# Altium PCB Graviton-RB1.PcbDoc (part 10 of 11) (continued)
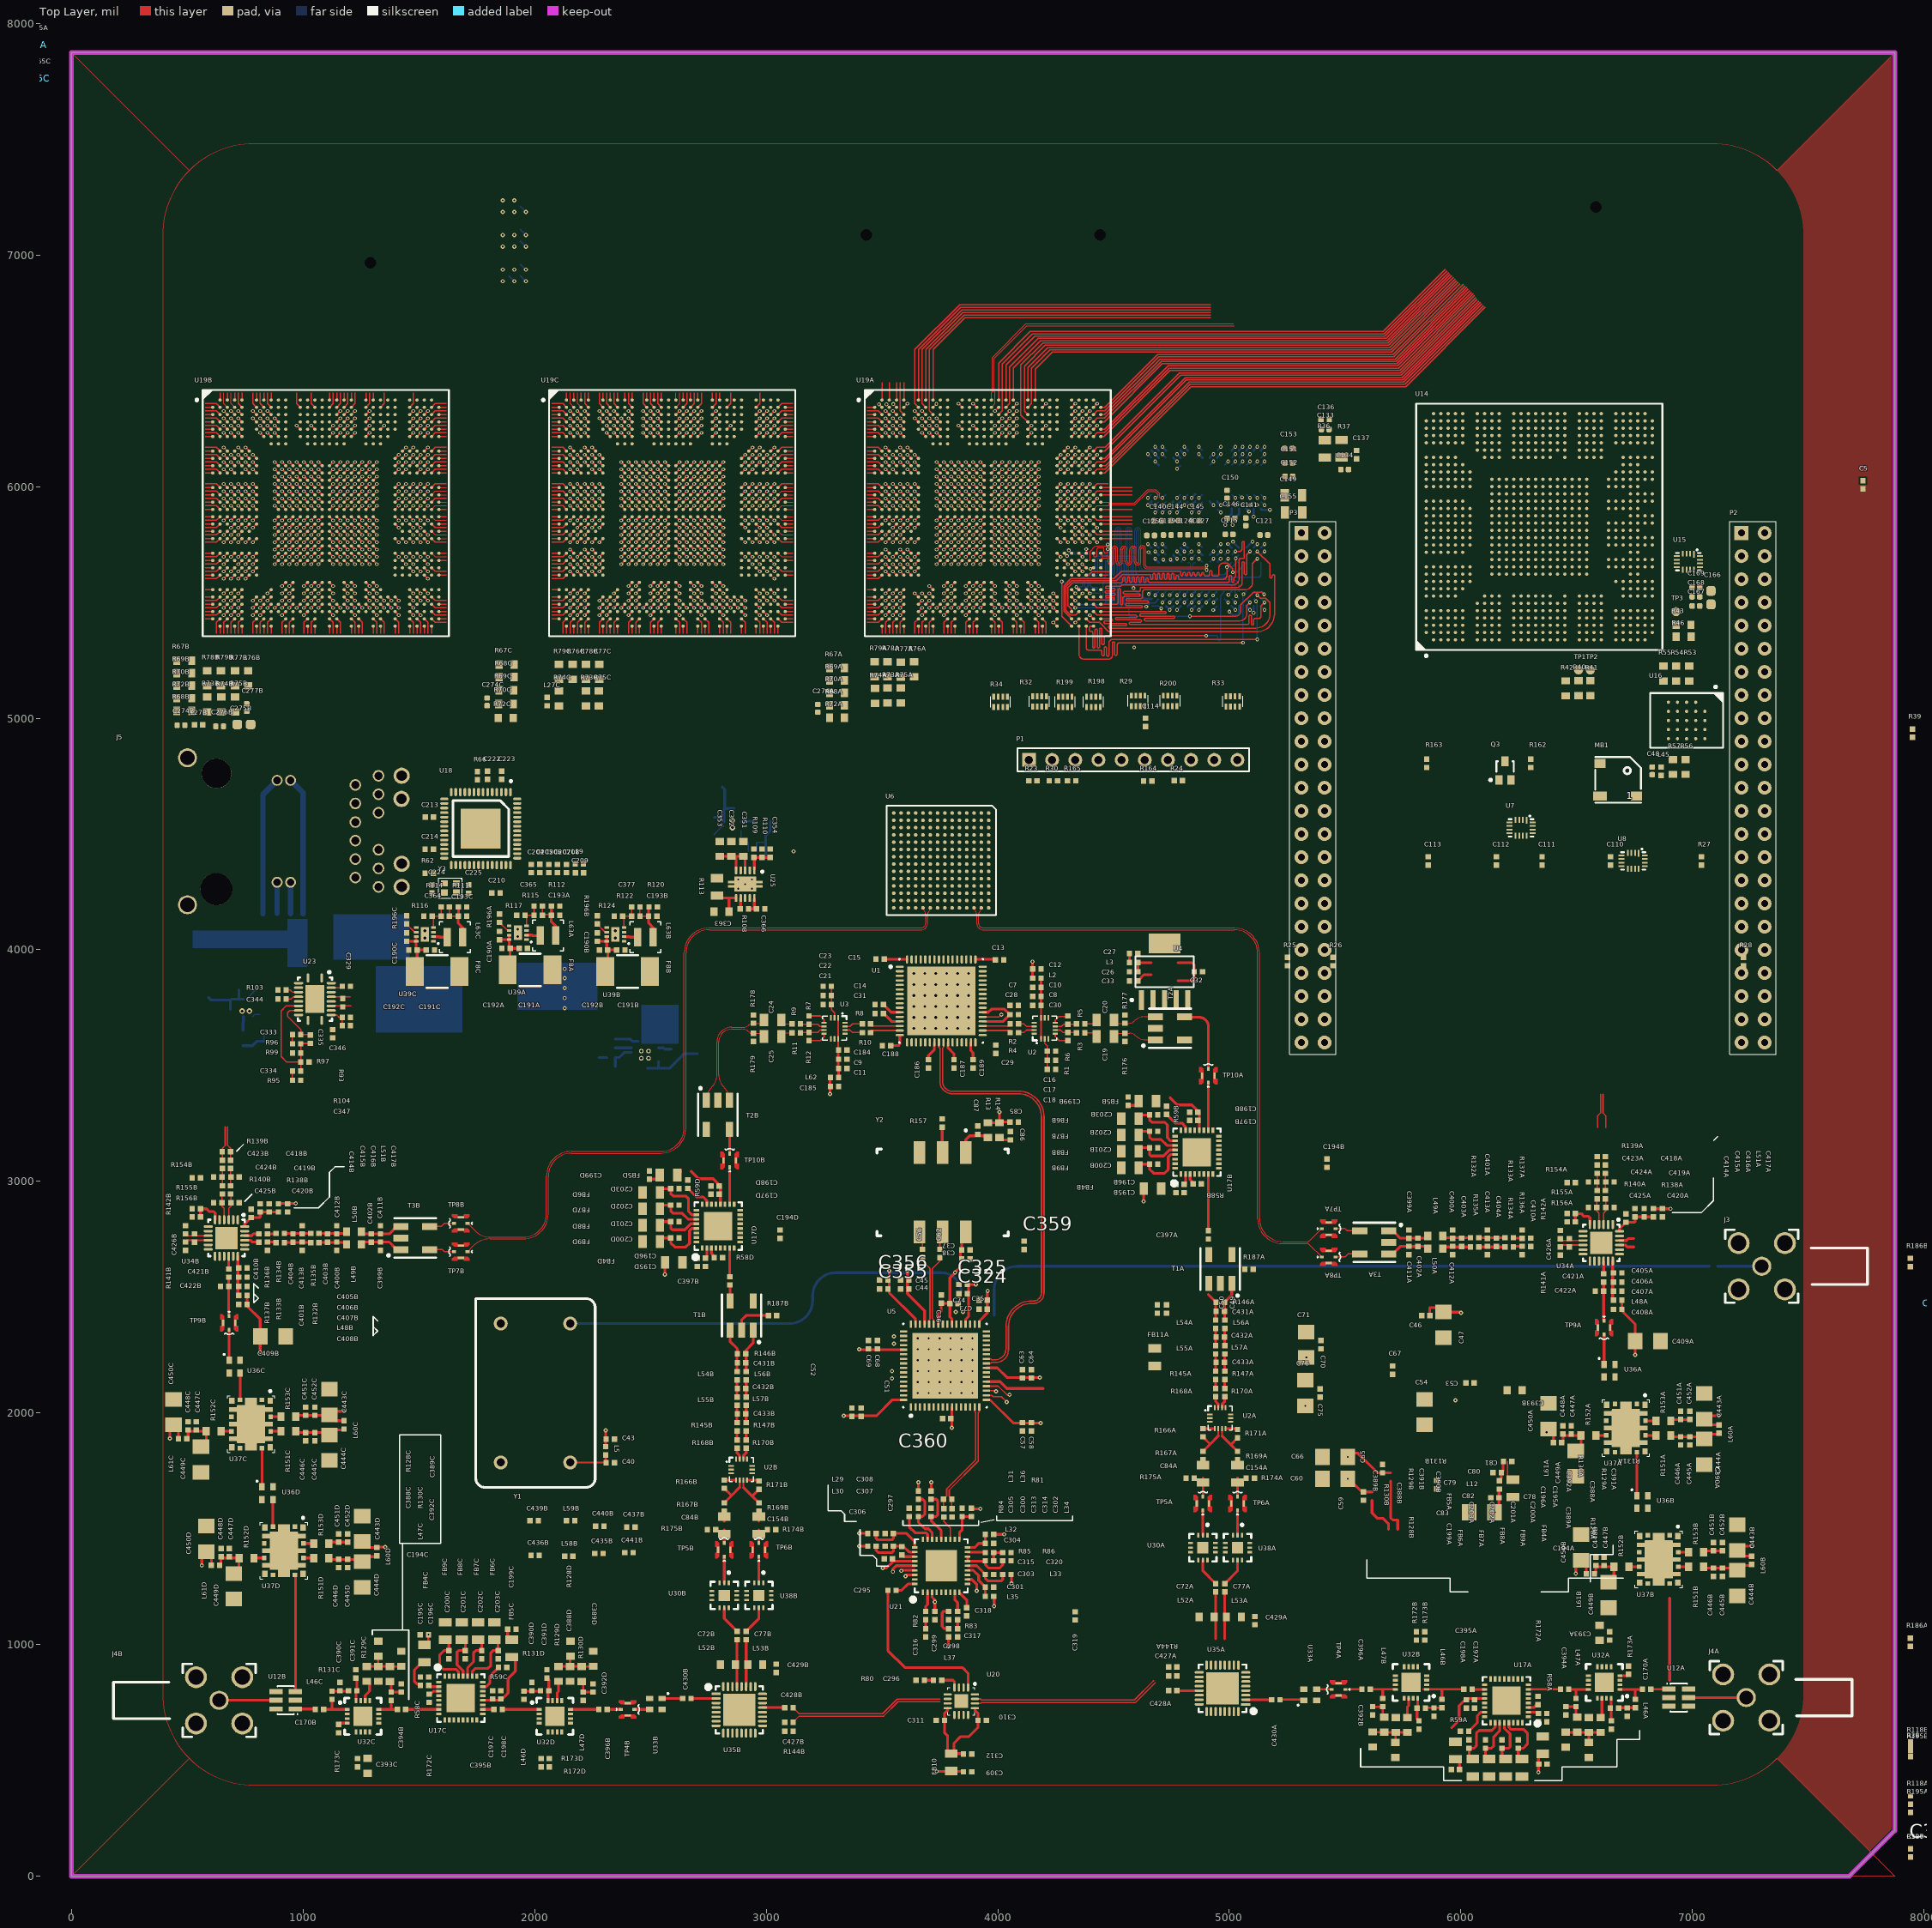
[diagram p0: Top Layer view]
## Nets (pads, with @x,y where several pads share a name; then routed paths per layer and width w, separated by ;. In a path a pad name is that pad's centre, name@x,y a point inside that pad or via, vN(x,y) a via of type N, cw(c..) or ccw(c..) an arc to the next point about the centre after c; other vN are vias at no path point) (continued)
VCC-COREB: C279B.2 C284B.2 C285B.2 C286B.2 C287B.2 C288B.2 C289B.2 C290B.2 C291B.2 C292B.2 C293B.2 C294B.2 L28B.2 U19B.AA12 U19B.AA13 U19B.AA14 U19B.AA15 U19B.AA16 U19B.AA17 U19B.AA18 U19B.AA19 U19B.AA20 U19B.AA21 U19B.M12 U19B.M13 U19B.M14 U19B.M15 U19B.M16 U19B.M17 U19B.M18 U19B.M19 U19B.M20 U19B.M21 U19B.N12 U19B.N21 U19B.P12 U19B.P21 U19B.R12 U19B.R21 U19B.T12 U19B.T21 U19B.U12 U19B.U21 U19B.V12 U19B.V21 U19B.W12 U19B.W21 U19B.Y12 U19B.Y21 | length 801.8
  Top Layer w10: v1(940.94,5728.35) U19B.AA12@956.69,5744.09 ; v1(940.94,5759.84) U19B.Y12@956.69,5775.59 ; v1(940.94,5791.34) U19B.W12@956.69,5807.09 ; v1(940.94,5822.83) U19B.V12@956.69,5838.58 ; v1(940.94,5854.33) U19B.U12@956.69,5870.08 ; v1(940.94,5917.32) U19B.T12@956.69,5901.57 ; v1(940.94,5948.82) U19B.R12@956.69,5933.07 ; v1(940.94,5980.32) U19B.P12@956.69,5964.57 ; v1(940.94,6011.81) U19B.N12@956.69,5996.06 ; v1(940.94,6043.31) U19B.M12@956.69,6027.56 ; v1(972.44,5728.35) U19B.AA13@988.19,5744.09 ; v1(972.44,6043.31) U19B.M13@988.19,6027.56 ; v1(1003.94,5728.35) U19B.AA14@1019.68,5744.09 ; v1(1003.94,6043.31) U19B.M14@1019.68,6027.56 ; v1(1035.43,5728.35) U19B.AA15@1051.18,5744.09 ; v1(1035.43,6043.31) U19B.M15@1051.18,6027.56 ; v1(1066.93,5728.35) U19B.AA16@1082.68,5744.09 ; v1(1066.93,6043.31) U19B.M16@1082.68,6027.56 ; U19B.AA17@1114.17,5744.09 v1(1129.92,5728.35) ; U19B.M17@1114.17,6027.56 v1(1129.92,6043.31) ; U19B.AA18@1145.67,5744.09 v1(1161.42,5728.35) ; U19B.M18@1145.67,6027.56 v1(1161.42,6043.31) ; U19B.AA19@1177.17,5744.09 v1(1192.91,5728.35) ; U19B.M19@1177.17,6027.56 v1(1192.91,6043.31) ; U19B.AA20@1208.66,5744.09 v1(1224.41,5728.35) ; U19B.M20@1208.66,6027.56 v1(1224.41,6043.31) ; U19B.AA21@1240.16,5744.09 v1(1255.91,5728.35) ; U19B.Y21@1240.16,5775.59 v1(1255.91,5759.84) ; U19B.W21@1240.16,5807.09 v1(1255.91,5791.34) ; U19B.V21@1240.16,5838.58 v1(1255.91,5822.83) ; U19B.U21@1240.16,5870.08 v1(1255.91,5854.33) ; U19B.T21@1240.16,5901.57 v1(1255.91,5917.32) ; U19B.R21@1240.16,5933.07 v1(1255.91,5948.82) ; U19B.P21@1240.16,5964.57 v1(1255.91,5980.32) ; U19B.N21@1240.16,5996.06 v1(1255.91,6011.81) ; U19B.M21@1240.16,6027.56 v1(1255.91,6043.31)
VCC-COREC: C279C.2 C284C.2 C285C.2 C286C.2 C287C.2 C288C.2 C289C.2 C290C.2 C291C.2 C292C.2 C293C.2 C294C.2 L28C.2 U19C.AA12 U19C.AA13 U19C.AA14 U19C.AA15 U19C.AA16 U19C.AA17 U19C.AA18 U19C.AA19 U19C.AA20 U19C.AA21 U19C.M12 U19C.M13 U19C.M14 U19C.M15 U19C.M16 U19C.M17 U19C.M18 U19C.M19 U19C.M20 U19C.M21 U19C.N12 U19C.N21 U19C.P12 U19C.P21 U19C.R12 U19C.R21 U19C.T12 U19C.T21 U19C.U12 U19C.U21 U19C.V12 U19C.V21 U19C.W12 U19C.W21 U19C.Y12 U19C.Y21 | length 801.8
  Top Layer w10: v1(2437.01,5728.35) U19C.AA12@2452.76,5744.09 ; v1(2437.01,5759.84) U19C.Y12@2452.76,5775.59 ; v1(2437.01,5791.34) U19C.W12@2452.76,5807.09 ; v1(2437.01,5822.83) U19C.V12@2452.76,5838.58 ; v1(2437.01,5854.33) U19C.U12@2452.76,5870.08 ; v1(2437.01,5917.32) U19C.T12@2452.76,5901.57 ; v1(2437.01,5948.82) U19C.R12@2452.76,5933.07 ; v1(2437.01,5980.32) U19C.P12@2452.76,5964.57 ; v1(2437.01,6011.81) U19C.N12@2452.76,5996.06 ; v1(2437.01,6043.31) U19C.M12@2452.76,6027.56 ; v1(2468.5,5728.35) U19C.AA13@2484.25,5744.09 ; v1(2468.5,6043.31) U19C.M13@2484.25,6027.56 ; v1(2500,5728.35) U19C.AA14@2515.75,5744.09 ; v1(2500,6043.31) U19C.M14@2515.75,6027.56 ; v1(2531.5,5728.35) U19C.AA15@2547.24,5744.09 ; v1(2531.5,6043.31) U19C.M15@2547.24,6027.56 ; v1(2562.99,5728.35) U19C.AA16@2578.74,5744.09 ; v1(2562.99,6043.31) U19C.M16@2578.74,6027.56 ; U19C.AA17@2610.24,5744.09 v1(2625.98,5728.35) ; U19C.M17@2610.24,6027.56 v1(2625.98,6043.31) ; U19C.AA18@2641.73,5744.09 v1(2657.48,5728.35) ; U19C.M18@2641.73,6027.56 v1(2657.48,6043.31) ; U19C.AA19@2673.23,5744.09 v1(2688.98,5728.35) ; U19C.M19@2673.23,6027.56 v1(2688.98,6043.31) ; U19C.AA20@2704.72,5744.09 v1(2720.47,5728.35) ; U19C.M20@2704.72,6027.56 v1(2720.47,6043.31) ; U19C.AA21@2736.22,5744.09 v1(2751.97,5728.35) ; U19C.Y21@2736.22,5775.59 v1(2751.97,5759.84) ; U19C.W21@2736.22,5807.09 v1(2751.97,5791.34) ; U19C.V21@2736.22,5838.58 v1(2751.97,5822.83) ; U19C.U21@2736.22,5870.08 v1(2751.97,5854.33) ; U19C.T21@2736.22,5901.57 v1(2751.97,5917.32) ; U19C.R21@2736.22,5933.07 v1(2751.97,5948.82) ; U19C.P21@2736.22,5964.57 v1(2751.97,5980.32) ; U19C.N21@2736.22,5996.06 v1(2751.97,6011.81) ; U19C.M21@2736.22,6027.56 v1(2751.97,6043.31)
VCCIO0A: C227A.2 C228A.2 C229A.2 C230A.2 C231A.2 L20A.1 U19A.K12 U19A.K14 U19A.K15 U19A.K16 | length 89.1
  Top Layer w5: v1(3799.21,6106.3) U19A.K12@3814.96,6090.55 ; v1(3862.2,6106.3) U19A.K14@3877.95,6090.55 ; v1(3893.7,6106.3) U19A.K15@3909.45,6090.55 ; v1(3925.2,6106.3) U19A.K16@3940.94,6090.55
VCCIO0B: C227B.2 C228B.2 C229B.2 C230B.2 C231B.2 L20B.1 U19B.K12 U19B.K14 U19B.K15 U19B.K16 | length 89.1
  Top Layer w5: v1(940.94,6106.3) U19B.K12@956.69,6090.55 ; v1(1003.94,6106.3) U19B.K14@1019.68,6090.55 ; v1(1035.43,6106.3) U19B.K15@1051.18,6090.55 ; v1(1066.93,6106.3) U19B.K16@1082.68,6090.55
VCCIO0C: C227C.2 C228C.2 C229C.2 C230C.2 C231C.2 L20C.1 U19C.K12 U19C.K14 U19C.K15 U19C.K16 | length 89.1
  Top Layer w5: v1(2437.01,6106.3) U19C.K12@2452.76,6090.55 ; v1(2500,6106.3) U19C.K14@2515.75,6090.55 ; v1(2531.5,6106.3) U19C.K15@2547.24,6090.55 ; v1(2562.99,6106.3) U19C.K16@2578.74,6090.55
VCCIO1A: C233A.2 C234A.2 C235A.2 C236A.2 C237A.2 L21A.1 U19A.K17 U19A.K18 U19A.K19 U19A.K21 | length 89.1
  Top Layer w5: U19A.K17@3972.44,6090.55 v1(3988.19,6106.3) ; U19A.K18@4003.94,6090.55 v1(4019.68,6106.3) ; U19A.K19@4035.43,6090.55 v1(4051.18,6106.3) ; U19A.K21@4098.43,6090.55 v1(4114.17,6106.3)
VCCIO1B: C233B.2 C234B.2 C235B.2 C236B.2 C237B.2 L21B.1 U19B.K17 U19B.K18 U19B.K19 U19B.K21 | length 89.1
  Top Layer w5: U19B.K17@1114.17,6090.55 v1(1129.92,6106.3) ; U19B.K18@1145.67,6090.55 v1(1161.42,6106.3) ; U19B.K19@1177.17,6090.55 v1(1192.91,6106.3) ; U19B.K21@1240.16,6090.55 v1(1255.91,6106.3)
VCCIO1C: C233C.2 C234C.2 C235C.2 C236C.2 C237C.2 L21C.1 U19C.K17 U19C.K18 U19C.K19 U19C.K21 | length 89.1
  Top Layer w5: U19C.K17@2610.24,6090.55 v1(2625.98,6106.3) ; U19C.K18@2641.73,6090.55 v1(2657.48,6106.3) ; U19C.K19@2673.23,6090.55 v1(2688.98,6106.3) ; U19C.K21@2736.22,6090.55 v1(2751.97,6106.3)
VCCIO2: C161.2 C162.2 C163.2 C164.2 C165.2 L17.1 U14.M23 U14.P23 U14.R23 U14.T23
VCCIO2A: C239A.2 C240A.2 C241A.2 C242A.2 C243A.2 L22A.1 U19A.M23 U19A.P23 U19A.R23 U19A.T23 | length 89.1
  Top Layer w5: U19A.T23@4161.42,5901.57 v1(4177.17,5917.32) ; U19A.R23@4161.42,5933.07 v1(4177.17,5948.82) ; U19A.P23@4161.42,5964.57 v1(4177.17,5980.32) ; U19A.M23@4161.42,6027.56 v1(4177.17,6043.31)
VCCIO2B: C239B.2 C240B.2 C241B.2 C242B.2 C243B.2 L22B.1 U19B.M23 U19B.P23 U19B.R23 U19B.T23 | length 89.1
  Top Layer w5: U19B.T23@1303.15,5901.57 v1(1318.9,5917.32) ; U19B.R23@1303.15,5933.07 v1(1318.9,5948.82) ; U19B.P23@1303.15,5964.57 v1(1318.9,5980.32) ; U19B.M23@1303.15,6027.56 v1(1318.9,6043.31)
VCCIO2C: C239C.2 C240C.2 C241C.2 C242C.2 C243C.2 L22C.1 U19C.M23 U19C.P23 U19C.R23 U19C.T23 | length 89.1
  Top Layer w5: U19C.T23@2799.21,5901.57 v1(2814.96,5917.32) ; U19C.R23@2799.21,5933.07 v1(2814.96,5948.82) ; U19C.P23@2799.21,5964.57 v1(2814.96,5980.32) ; U19C.M23@2799.21,6027.56 v1(2814.96,6043.31)
VCCIO3A: C247A.2 C248A.2 C249A.2 C250A.2 C251A.2 L23A.1 U19A.AA23 U19A.U23 U19A.V23 U19A.W23 | length 89.1
  Top Layer w5: U19A.AA23@4161.42,5744.09 v1(4177.17,5728.35) ; U19A.W23@4161.42,5807.09 v1(4177.17,5791.34) ; U19A.V23@4161.42,5838.58 v1(4177.17,5822.83) ; U19A.U23@4161.42,5870.08 v1(4177.17,5854.33)
VCCIO3B: C247B.2 C248B.2 C249B.2 C250B.2 C251B.2 L23B.1 U19B.AA23 U19B.U23 U19B.V23 U19B.W23 | length 89.1
  Top Layer w5: U19B.AA23@1303.15,5744.09 v1(1318.9,5728.35) ; U19B.W23@1303.15,5807.09 v1(1318.9,5791.34) ; U19B.V23@1303.15,5838.58 v1(1318.9,5822.83) ; U19B.U23@1303.15,5870.08 v1(1318.9,5854.33)
VCCIO3C: C247C.2 C248C.2 C249C.2 C250C.2 C251C.2 L23C.1 U19C.AA23 U19C.U23 U19C.V23 U19C.W23 | length 89.1
  Top Layer w5: U19C.AA23@2799.21,5744.09 v1(2814.96,5728.35) ; U19C.W23@2799.21,5807.09 v1(2814.96,5791.34) ; U19C.V23@2799.21,5838.58 v1(2814.96,5822.83) ; U19C.U23@2799.21,5870.08 v1(2814.96,5854.33)
VCCIO4A: C255A.2 C256A.2 C257A.2 L24A.1 U19A.AB23 U19A.AC23 | length 44.5
  Top Layer w5: U19A.AC23@4161.42,5681.1 v1(4177.17,5665.35) ; U19A.AB23@4161.42,5712.6 v1(4177.17,5696.85)
VCCIO4B: C255B.2 C256B.2 C257B.2 L24B.1 U19B.AB23 U19B.AC23 | length 44.5
  Top Layer w5: U19B.AC23@1303.15,5681.1 v1(1318.9,5665.35) ; U19B.AB23@1303.15,5712.6 v1(1318.9,5696.85)
VCCIO4C: C255C.2 C256C.2 C257C.2 L24C.1 U19C.AB23 U19C.AC23 | length 44.5
  Top Layer w5: U19C.AC23@2799.21,5681.1 v1(2814.96,5665.35) ; U19C.AB23@2799.21,5712.6 v1(2814.96,5696.85)
VCCIO6A: C259A.2 C260A.2 C261A.2 C262A.2 C263A.2 L25A.1 U19A.AA10 U19A.U10 U19A.V10 U19A.W10 | length 89.1
  Top Layer w5: v1(3736.22,5728.35) U19A.AA10@3751.97,5744.09 ; v1(3736.22,5791.34) U19A.W10@3751.97,5807.09 ; v1(3736.22,5822.83) U19A.V10@3751.97,5838.58 ; v1(3736.22,5854.33) U19A.U10@3751.97,5870.08
VCCIO6B: C259B.2 C260B.2 C261B.2 C262B.2 C263B.2 L25B.1 U19B.AA10 U19B.U10 U19B.V10 U19B.W10 | length 89.1
  Top Layer w5: v1(877.95,5728.35) U19B.AA10@893.7,5744.09 ; v1(877.95,5791.34) U19B.W10@893.7,5807.09 ; v1(877.95,5822.83) U19B.V10@893.7,5838.58 ; v1(877.95,5854.33) U19B.U10@893.7,5870.08
VCCIO6C: C259C.2 C260C.2 C261C.2 C262C.2 C263C.2 L25C.1 U19C.AA10 U19C.U10 U19C.V10 U19C.W10 | length 89.1
  Top Layer w5: v1(2374.02,5728.35) U19C.AA10@2389.76,5744.09 ; v1(2374.02,5791.34) U19C.W10@2389.76,5807.09 ; v1(2374.02,5822.83) U19C.V10@2389.76,5838.58 ; v1(2374.02,5854.33) U19C.U10@2389.76,5870.08
VCCIO7A: C267A.2 C268A.2 C269A.2 C270A.2 C271A.2 L26A.1 U19A.M10 U19A.P10 U19A.R10 U19A.T10 | length 89.1
  Top Layer w5: v1(3736.22,5917.32) U19A.T10@3751.97,5901.57 ; v1(3736.22,5948.82) U19A.R10@3751.97,5933.07 ; v1(3736.22,5980.32) U19A.P10@3751.97,5964.57 ; v1(3736.22,6043.31) U19A.M10@3751.97,6027.56
VCCIO7B: C267B.2 C268B.2 C269B.2 C270B.2 C271B.2 L26B.1 U19B.M10 U19B.P10 U19B.R10 U19B.T10 | length 89.1
  Top Layer w5: v1(877.95,5917.32) U19B.T10@893.7,5901.57 ; v1(877.95,5948.82) U19B.R10@893.7,5933.07 ; v1(877.95,5980.32) U19B.P10@893.7,5964.57 ; v1(877.95,6043.31) U19B.M10@893.7,6027.56
VCCIO7C: C267C.2 C268C.2 C269C.2 C270C.2 C271C.2 L26C.1 U19C.M10 U19C.P10 U19C.R10 U19C.T10 | length 89.1
  Top Layer w5: v1(2374.02,5917.32) U19C.T10@2389.76,5901.57 ; v1(2374.02,5948.82) U19C.R10@2389.76,5933.07 ; v1(2374.02,5980.32) U19C.P10@2389.76,5964.57 ; v1(2374.02,6043.31) U19C.M10@2389.76,6027.56
VCCIO8: C166.2 C167.2 C168.2 C169.2 L45.2 R40.2 R41.2 R42.2 R44.2 R45.2 R46.2 R47.2 R48.2 R49.2 R53.2 R54.2 R55.2 R56.2 R57.2 U14.AB10 U14.AC10 U15.13 U16.B4
VCCIO8A: C275A.2 C276A.2 C277A.2 L27A.1 R73A.2 R74A.2 R75A.2 U19A.AB10 U19A.AC10 | length 44.5
  Top Layer w5: v1(3736.22,5665.35) U19A.AC10@3751.97,5681.1 ; v1(3736.22,5696.85) U19A.AB10@3751.97,5712.6
VCCIO8B: C275B.2 C276B.2 C277B.2 L27B.1 R73B.2 R74B.2 R75B.2 U19B.AB10 U19B.AC10 | length 44.5
  Top Layer w5: v1(877.95,5665.35) U19B.AC10@893.7,5681.1 ; v1(877.95,5696.85) U19B.AB10@893.7,5712.6
VCCIO8C: C275C.2 C276C.2 C277C.2 L27C.1 R73C.2 R74C.2 R75C.2 U19C.AB10 U19C.AC10 | length 44.5
  Top Layer w5: v1(2374.02,5665.35) U19C.AC10@2389.76,5681.1 ; v1(2374.02,5696.85) U19C.AB10@2389.76,5712.6
VCXO-CTRL: C87.1 R13.2 Y2.1 | length 161.5
  Top Layer w11.81: Y2.1@3861.81,3124.02 3861.81,3180.71 3877.95,3196.85 3948.82,3196.85 R13.2@3956.69,3188.98
VDD-DSAA: C195A.2 C196A.2 FB4A.1 R59A.1 U17A.2 | length 38.6
  Top Layer w11.81: U17A.2@6291.34,708.66 C196A.2@6329.92,708.66
VDD-DSAB: C195B.2 C196B.2 FB4B.1 R59B.1 U17B.2 | length 38.6
  Top Layer w11.81: C196B.2@4811.02,2992.91 U17B.2@4811.02,3031.5
VDD-DSAC: C195C.2 C196C.2 FB4C.1 R59C.1 U17C.2 | length 175.6
  Top Layer w11.81: C195C.2@1511.81,829.53 1493.31,829.53 1480.31,842.52 1480.31,889.76 FB4C.1@1517.72,927.17 ; C196C.2@1548.03,818.9 U17C.2@1586.61,818.9
VDD-DSAD: C195D.2 C196D.2 FB4D.1 R59D.1 U17D.2 | length 38.6
  Top Layer w11.81: C196D.2@2743.7,2674.02 U17D.2@2743.7,2712.6
VDD-LNAA: C384A.2 C385A.2 C386A.2 C387A.2 R128A.1 U31A.B2
VDD-LNAB: C384B.2 C385B.2 C386B.2 C387B.2 R128B.1 U31B.B2
VDD-LNAC: C384C.2 C385C.2 C386C.2 C387C.2 R128C.1 U31C.B2
VDD-LNAD: C384D.2 C385D.2 C386D.2 C387D.2 R128D.1 U31D.B2
VDD_ADC: P3.32
VIN48V: C321.2 C322.2 C323.2 F1.1 R98.2 R158.1 R159.1 | length 55.1
  Bottom Layer w23.62: R158.1@944.88,4119.88 972.44,4119.88 R159.1@1000,4119.88
VREF-CM-ADC: C16.2 C17.2 C18.2 C21.2 C22.2 C23.2 U1.27 U2.2 U3.2 | length 278.2
  Top Layer w5.98: C23.2@3281.69,3842.52 C22.2@3281.69,3803.15 C21.2@3281.69,3763.78 3281.69,3741.93 3295.28,3728.35 U3.2@3295.28,3706.69 ; U2.2@4202.76,3616.14 4202.76,3596.46 4214.37,3584.84 C16.2@4214.37,3562.99 C17.2@4214.37,3523.62 C18.2@4214.37,3484.25
VREF-IO2A: C244A.2 C244B.2 C244C.2 C245A.2 C245B.2 C245C.2 C252A.2 C253A.2 C272A.2 C272B.2 C272C.2 C273A.2 C273B.2 C273C.2 C351.2 C352.2 C353.2 R37.2 U19A.J26 U19A.V29 U19B.J26 U19C.J26 U25.3 U25.5 | length 305.2
  Top Layer w5: U19B.J26@1397.64,6122.05 v1(1413.39,6137.8) ; U19C.J26@2893.7,6122.05 v1(2909.45,6137.8) ; U19A.J26@4255.91,6122.05 v1(4271.65,6137.8) ; U19A.V29@4350.39,5838.58 v1(4366.14,5822.83)
  Top Layer w11.81: C353.2@2799.21,4403.66 C352.2@2850.39,4403.66 C351.2@2901.57,4403.66 2909.45,4395.79 U25.3@2909.45,4346.46 ; U25.5@2870.08,4346.46 2870.08,4399.72
VREF-IO3B: C252B.2 C253B.2 U19B.V29 | length 22.3
  Top Layer w5: U19B.V29@1492.13,5838.58 v1(1507.87,5822.83)
VREF-IO3C: C252C.2 C253C.2 U19C.V29 | length 22.3
  Top Layer w5: U19C.V29@2988.19,5838.58 v1(3003.94,5822.83)
VREF-IO5A: U19A.V4 | length 22.3
  Top Layer w5: v1(3547.24,5822.83) U19A.V4@3562.99,5838.58
VREF-IO5B: U19B.V4 | length 22.3
  Top Layer w5: v1(688.98,5822.83) U19B.V4@704.72,5838.58
VREF-IO5C: U19C.V4 | length 22.3
  Top Layer w5: v1(2185.04,5822.83) U19C.V4@2200.79,5838.58
VREF-IO6A: C264A.2 C265A.2
VREF-IO6B: C264B.2 C265B.2
VREF-IO6C: C264C.2 C265C.2
VSS-DSAA: C197A.2 C198A.2 FB5A.1 U17A.20 | length 230.8
  Top Layer w11.81: 5960.63,641.73 5992.13,673.23 5992.13,736.22 6023.62,767.72 U17A.20@6102.36,767.72
VSS-DSAB: C197B.2 C198B.2 FB5B.1 U17B.20 | length 230.8
  Top Layer w11.81: 4744.09,3362.2 4775.59,3330.71 4838.58,3330.71 4870.08,3299.21 U17B.20@4870.08,3220.47
VSS-DSAC: C197C.2 C198C.2 FB5C.1 U17C.20 | length 298.2
  Top Layer w11.81: U17C.20@1775.59,759.84 1854.33,759.84 1885.83,791.34 1885.83,854.33 1917.32,885.83 1917.32,930.91 FB5C.1@1901.57,946.65
VSS-DSAD: C197D.2 C198D.2 FB5D.1 U17D.20 | length 253.1
  Top Layer w11.81: FB5D.1@2615.94,3027.56 FB5D.1@2631.69,3043.31 ; 2676.77,3043.31 2708.27,3011.81 2771.26,3011.81 2802.76,2980.31 U17D.20@2802.76,2901.57
VXO_N: C62.2 U5.43 | length 302.6
  Top Layer w5.98: U5.43@3723.43,2383.86 3723.43,2402.6 3718.09,2407.93 3718.09,2624.55 3750,2656.46 C62.2@3750,2671.06
VXO_P: C56.1 U5.44 | length 301.8
  Top Layer w5.98: C56.1@3675.2,2671.06 3675.2,2656.46 3707.11,2624.55 3707.11,2405.96 3703.74,2402.6 U5.44@3703.74,2383.86
XTAL-IN: C225.2 U18.34 Y3.1
XTAL-OUT: C224.2 U18.33 Y3.3
ZQ: R35.1 R38.1 U9.L8 U10.L8
  other v2: 4994.5,5499.75 4994.5,5919.75
pads on no net: J1.79 J1.119 J1.122 J1.123 J1.125 J1.126 J1.128 J1.129 J1.132 J1.133 J1.135 J1.136 J1.138 J1.139 J1.142 J1.143 J1.145 J1.146 J1.148 J1.149 J1.152 J1.153 J1.155 J1.156 J1.158 J1.159 J1.162 J1.163 J1.165 J1.166 J1.168 J1.169 J1.172 J1.173 J1.175 J1.176 J1.178 J1.179 J1.182 J1.183 J1.185 J1.186 J1.188 J1.189 J1.192 J1.193 J1.195 J1.196 J1.198 J1.199 J1.209 J1.319 J1.399 J1.401 J1.402 J2.39 J2.119 J2.122 J2.123 J2.125 J2.126 J2.128 J2.129 J2.132 J2.133 J2.135 J2.136 J2.138 J2.139 J2.142 J2.143 J2.145 J2.146 J2.148 J2.149 J2.152 J2.153 J2.155 J2.156 J2.158 J2.159 J2.162 J2.163 J2.165 J2.166 J2.168 J2.169 J2.172 J2.173 J2.175 J2.176 J2.178 J2.179 J2.182 J2.183 J2.185 J2.186 J2.188 J2.189 J2.192 J2.193 J2.195 J2.196 J2.198 J2.199 J2.279 J2.319 J2.322 J2.323 J2.325 J2.326 J2.328 J2.329 J2.332 J2.333 J2.335 J2.336 J2.338 J2.339 J2.342 J2.343 J2.345 J2.346 J2.348 J2.349 J2.352 J2.353 J2.355 J2.356 J2.358 J2.359 J2.362 J2.363 J2.365 J2.366 J2.368 J2.369 J2.372 J2.373 J2.375 J2.376 J2.378 J2.379 J2.382 J2.383 J2.385 J2.386 J2.388 J2.389 J2.392 J2.393 J2.395 J2.396 J2.398 J2.399 J2.401 J2.402 J5.M1 J5.M2 P1.4 P1.5 P1.9 P1.10 R200.4 T3A.2 T3B.2 U1.28 U2.9 U2A.9 U2B.9 U3.9 U5.3 U5.4 U5.7 U5.8 U5.9 U5.13 U5.14 U5.22 U5.23 U5.29 U5.30 U5.40 U5.41 U5.46 U5.49 U5.50 U5.56 U5.57 U5.60 U5.61 U5.62 U5.63 U6.A6 U6.A7 U6.A8 U6.B6 U6.B7 U6.C3 U6.C4 U6.C11 U6.D3 U6.D4 U6.D7 U6.D11 U6.D12 U6.E3 U6.E4 U6.F3 U6.F4 U6.G3 U6.G4 U6.G12 U6.H3 U6.H4 U6.H12 U6.J3 U6.J4 U6.K3 U6.K4 U6.K12 U6.L3 U6.L4 U6.L7 U6.L11 U6.L12 U6.M3 U6.M4 U6.N6 U6.N7 U6.N8 U6.N11 U6.P6 U6.P7 U6.P8 U7.4 U7.9 U9.J1 U9.J9 U9.L1 U9.L9 U10.J1 U10.J9 U10.L1 U10.L9 U13.3 U14.A2 U14.A3 U14.A4 U14.A5 U14.A7 U14.A8 U14.A9 U14.A10 U14.A11 U14.A13 U14.A14 U14.A15 U14.A16 U14.A17 U14.A18 U14.A19 U14.A20 U14.A22 U14.A23 U14.A24 U14.A25 U14.A26 U14.A28 U14.A29 U14.A30 U14.A31 U14.AB1 U14.AB2 U14.AB3 U14.AB4 U14.AB5 U14.AB6 U14.AB7 U14.AB26 U14.AB27 U14.AB28 U14.AB29 U14.AB30 U14.AB31 U14.AB32 U14.AC1 U14.AC2 U14.AC3 U14.AC4 U14.AC5 U14.AC6 U14.AC7 U14.AC26 U14.AC27 U14.AC28 U14.AC29 U14.AC30 U14.AC31 U14.AC32 U14.AD1 U14.AD3 U14.AD4 U14.AD6 U14.AD7 U14.AD26 U14.AD27 U14.AD29 U14.AD30 U14.AD32 U14.AE1 U14.AE2 U14.AE3 U14.AE4 U14.AE5 U14.AE6 U14.AE7 U14.AE26 U14.AE27 U14.AE28 U14.AE29 U14.AE30 U14.AE31 U14.AE32 U14.AG1 U14.AG2 U14.AG24 U14.AG28 U14.AG29 U14.AG30 U14.AG31 U14.AG32 U14.AH1 U14.AH28 U14.AH30 U14.AH32 U14.AJ1 U14.AJ28 U14.AJ29 U14.AJ30 U14.AJ31 U14.AJ32 U14.AK1 U14.AK3 U14.AK9 U14.AK10 U14.AK12 U14.AK13 U14.AK15 U14.AK16 U14.AK18 U14.AK19 U14.AK21 U14.AK22 U14.AK24 U14.AK25 U14.AK28 U14.AK29 U14.AK30 U14.AK31 U14.AK32 U14.AL28 U14.AL30 U14.AL32 U14.AM28 U14.AM29 U14.AM30 U14.AM31 U14.B1 U14.B3 U14.B4 U14.B7 U14.B8 U14.B10 U14.B11 U14.B14 U14.B16 U14.B17 U14.B19 U14.B22 U14.B23 U14.B25 U14.B26 U14.B29 U14.B30 U14.C1 U14.C2 U14.C3 U14.C4 U14.C5 U14.C7 U14.C8 U14.C9 U14.C10 U14.C11 U14.C13 U14.C14 U14.C15 U14.C16 U14.C17 U14.C18 U14.C19 U14.C20 U14.C22 U14.C23 U14.C24 U14.C25 U14.C26 U14.D1 U14.D2 U14.D3 U14.D4 U14.D5 U14.D7 U14.D8 U14.D9 U14.D10 U14.D11 U14.D13 U14.D14 U14.D15 U14.D16 U14.D17 U14.D18 U14.D19 U14.D20 U14.D22 U14.D23 U14.D24 U14.D25 U14.D26 U14.E1 U14.E3 U14.E4 U14.E7 U14.E8 U14.E10 U14.E11 U14.E14 U14.E16 U14.E17 U14.E19 U14.E22 U14.E23 U14.E25 U14.E26 U14.F1 U14.F2 U14.F3 U14.F4 U14.F5 U14.F8 U14.F9 U14.F10 U14.F11 U14.F13 U14.F14 U14.F15 U14.F16 U14.F17 U14.F18 U14.F19 U14.F20 U14.F22 U14.F23 U14.F24 U14.F25 U14.G9 U14.G10 U14.G11 U14.G14 U14.G15 U14.G16 U14.G17 U14.G18 U14.G19 U14.G22 U14.G23 U14.G24 U14.H1 U14.H2 U14.H3 U14.H4 U14.H5 U14.H6 U14.H29 U14.J1 U14.J3 U14.J4 U14.J6 U14.J7 U14.K1 U14.K2 U14.K3 U14.K4 U14.K5 U14.K6 U14.K7 U14.L1 U14.L2 U14.L3 U14.L4 U14.L5 U14.L6 U14.L7 U14.L28 U14.N1 U14.N3 U14.N4 U14.N6 U14.N7 U14.N32 U14.P1 U14.P2 U14.P3 U14.P4 U14.P5 U14.P6 U14.P7 U14.P28 U14.P29 U14.P30 U14.P31 U14.P32 U14.R1 U14.R3 U14.R4 U14.R6 U14.R7 U14.R26 U14.R27 U14.R29 U14.R30 U14.R32 U14.T1 U14.T2 U14.T3 U14.T4 U14.T5 U14.T6 U14.T7 U14.T26 U14.T27 U14.T28 U14.T29 U14.T30 U14.T31 U14.T32 U14.U1 U14.U2 U14.U3 U14.U4 U14.U5 U14.U6 U14.U7 U14.U26 U14.U27 U14.U28 U14.U29 U14.U30 U14.U31 U14.U32 U14.V1 U14.V3 U14.V4 U14.V6 U14.V7 U14.V26 U14.V27 U14.V29 U14.V30 U14.V32 U14.W1 U14.W2 U14.W3 U14.W4 U14.W5 U14.W6 U14.W27 U14.W28 U14.W29 U14.W30 U14.W31 U14.W32 U14.Y1 U14.Y3 U14.Y4 U14.Y5 U14.Y6 U14.Y7 U14.Y26 U14.Y27 U14.Y28 U14.Y29 U14.Y30 U14.Y32 U16.A2 U16.A3 U16.A4 U16.A5 U16.B1 U16.B5 U16.C1 U16.C3 U16.C5 U16.D1 U16.D5 U16.E1 U16.E2 U16.E3 U16.E4 U16.E5 U17A.4 U17A.21 U17A.22 U17A.24 U17A.25 U17B.4 U17B.21 U17B.22 U17B.24 U17B.25 U17C.4 U17C.21 U17C.22 U17C.24 U17C.25 U17D.4 U17D.21 U17D.22 U17D.24 U17D.25 U18.1 U18.2 U18.4 U18.5 U18.9 U18.29 U18.57 U19A.A10 U19A.A11 U19A.A13 U19A.A14 U19A.A15 U19A.A16 U19A.A24 U19A.A25 U19A.A26 U19A.A28 U19A.A29 U19A.A30 U19A.A31 U19A.AC4 U19A.AC26 U19A.AC29 U19A.AC31 U19A.AD26 U19A.AD27 U19A.AE7 U19A.AE26 U19A.AE27 U19A.AE28 U19A.AE29 U19A.AG2 U19A.AG24 U19A.AG31 U19A.AG32 U19A.AH32 U19A.AJ29 U19A.AJ30 U19A.AK9 U19A.AK10 U19A.AK12 U19A.AK13 U19A.AK15 U19A.AK16 U19A.AK18 U19A.AK19 U19A.AK21 U19A.AK22 U19A.AK24 U19A.AK25 U19A.AK30 U19A.B10 U19A.B11 U19A.B14 U19A.B16 U19A.B23 U19A.B25 U19A.B26 U19A.B29 U19A.B30 U19A.C10 U19A.C11 U19A.C13 U19A.C14 U19A.C15 U19A.C16 U19A.C17 U19A.C23 U19A.C24 U19A.C25 U19A.C26 U19A.D11 U19A.D13 U19A.D14 U19A.D15 U19A.D16 U19A.D17 U19A.D23 U19A.D24 U19A.D25 U19A.D26 U19A.E7 U19A.E11 U19A.E14 U19A.E16 U19A.E23 U19A.E25 U19A.E26 U19A.F11 U19A.F13 U19A.F14 U19A.F15 U19A.F16 U19A.F23 U19A.F24 U19A.F25 U19A.G9 U19A.G10 U19A.G11 U19A.G14 U19A.G15 U19A.G16 U19A.G17 U19A.G18 U19A.G19 U19A.G22 U19A.G23 U19A.G24 U19A.H4 U19A.H29 U19A.L5 U19A.L28 U19A.V3 U19A.V27 U19A.V30 U19A.W6 U19A.W27 U19B.A10 U19B.A11 U19B.A13 U19B.A14 U19B.A15 U19B.A16 U19B.A24 U19B.A25 U19B.A26 U19B.A28 U19B.A29 U19B.A30 U19B.A31 U19B.AC4 U19B.AC26 U19B.AC29 U19B.AC31 U19B.AD26 U19B.AD27 U19B.AE7 U19B.AE26 U19B.AE27 U19B.AE28 U19B.AE29 U19B.AG2 U19B.AG24 U19B.AG31 U19B.AG32 U19B.AH32 U19B.AJ29 U19B.AJ30 U19B.AK9 U19B.AK10 U19B.AK12 U19B.AK13 U19B.AK15 U19B.AK16 U19B.AK18 U19B.AK19 U19B.AK21 U19B.AK22 U19B.AK24 U19B.AK25 U19B.AK30 U19B.B10 U19B.B11 U19B.B14 U19B.B16 U19B.B23 U19B.B25 U19B.B26 U19B.B29 U19B.B30 U19B.C10 U19B.C11 U19B.C13 U19B.C14 U19B.C15 U19B.C16 U19B.C17 U19B.C23 U19B.C24 U19B.C25 U19B.C26 U19B.D11 U19B.D13 U19B.D14 U19B.D15 U19B.D16 U19B.D17 U19B.D23 U19B.D24 U19B.D25 U19B.D26 U19B.E7 U19B.E11 U19B.E14 U19B.E16 U19B.E23 U19B.E25 U19B.E26 U19B.F11 U19B.F13 U19B.F14 U19B.F15 U19B.F16 U19B.F23 U19B.F24 U19B.F25 U19B.G9 U19B.G10 U19B.G11 U19B.G14 U19B.G15 U19B.G16 U19B.G17 U19B.G18 U19B.G19 U19B.G22 U19B.G23 U19B.G24 U19B.H4 U19B.H29 U19B.L5 U19B.L28 U19B.V3 U19B.V27 U19B.V30 U19B.W6 U19B.W27 U19C.A16 U19C.A24 U19C.A25 U19C.A26 U19C.A28 U19C.A29 U19C.A30 U19C.A31 U19C.AC4 U19C.AC26 U19C.AC29 U19C.AC31 U19C.AD26 U19C.AD27 U19C.AE7 U19C.AE26 U19C.AE27 U19C.AE28 U19C.AE29 U19C.AG2 U19C.AG24 U19C.AG31 U19C.AG32 U19C.AH32 U19C.AJ29 U19C.AJ30 U19C.AK9 U19C.AK10 U19C.AK12 U19C.AK13 U19C.AK15 U19C.AK16 U19C.AK18 U19C.AK19 U19C.AK21 U19C.AK22 U19C.AK24 U19C.AK25 U19C.AK30 U19C.B10 U19C.B16 U19C.B23 U19C.B25 U19C.B26 U19C.B29 U19C.B30 U19C.C10 U19C.C16 U19C.C23 U19C.C24 U19C.C25 U19C.C26 U19C.D16 U19C.D23 U19C.D24 U19C.D25 U19C.D26 U19C.E7 U19C.E16 U19C.E23 U19C.E25 U19C.E26 U19C.F16 U19C.F23 U19C.F24 U19C.F25 U19C.G9 U19C.G10 U19C.G11 U19C.G14 U19C.G15 U19C.G16 U19C.G17 U19C.G18 U19C.G19 U19C.G22 U19C.G23 U19C.G24 U19C.H4 U19C.H29 U19C.L5 U19C.L28 U19C.V3 U19C.V27 U19C.V30 U19C.W6 U19C.W27 U21.4 U21.5 U21.6 U21.12 U21.20 U21.24 U21.35 U21.37 U23.2 U23.3 U23.6 U24.14 U24.V U25.9 U30A.13 U30B.13 U32A.5 U32A.6 U32A.7 U32A.8 U32A.9 U32A.13 U32B.5 U32B.6 U32B.7 U32B.8 U32B.9 U32B.13 U32C.5 U32C.6 U32C.7 U32C.8 U32C.9 U32C.13 U32D.5 U32D.6 U32D.7 U32D.8 U32D.9 U32D.13 U35A.1 U35A.3 U35A.6 U35A.8 U35A.9 U35A.12 U35A.14 U35A.16 U35A.18 U35A.20 U35A.23 U35A.24 U35A.25 U35A.32 U35B.1 U35B.3 U35B.6 U35B.8 U35B.9 U35B.12 U35B.14 U35B.16 U35B.18 U35B.20 U35B.23 U35B.24 U35B.25 U35B.32 U37A.2 U37A.8 U37A.24 U37A.25 U37A.26 U37B.2 U37B.8 U37B.24 U37B.25 U37B.26 U37C.2 U37C.8 U37C.24 U37C.25 U37C.26 U37D.2 U37D.8 U37D.24 U37D.25 U37D.26 U38A.13 U38B.13 Y1.1 Y3.2 Y3.4
copper on no net: | length 22.3
  Top Layer w10: 6497.05,692.72 6502.95,686.81 ; 6552.17,577.56 6553.15,578.54
  Top Layer w11.81: 6645.47,726.38 6648.62,729.53 ; 6718.7,866.14 6724.41,871.85
  other v2: 4589,5306

## Polygon pours and split planes (outlines as drawn)
GND on Top Layer "TOP-GND-MOUNT" (solid, remove dead copper, pour order 16): 0,0 509.01,509.01 ccw(c787.4,787.4) 787.4,393.7 7086.61,393.7 ccw(c7086.61,787.4) 7365,509.01 7874.02,0
GND on Top Layer "TOP-GND-MOUNT" (solid, remove dead copper, pour order 14): 7874.02,0 7365,509.01 ccw(c7086.61,787.4) 7480.31,787.4 7480.31,7086.61 ccw(c7086.61,7086.61) 7365,7365 7874.02,7874.02
GND on Top Layer "TOP-GND-MOUNT" (solid, remove dead copper, pour order 12): 7874.02,7874.02 7365,7365 ccw(c7086.61,7086.61) 7086.61,7480.31 787.4,7480.31 ccw(c787.4,7086.61) 509.01,7365 0,7874.02
GND on Top Layer "TOP-GND-MOUNT" (solid, remove dead copper, pour order 10): 0,7874.02 509.01,7365 ccw(c787.4,7086.61) 393.7,7086.61 393.7,787.4 ccw(c787.4,787.4) 509.01,509.01 0,0
GND on Bottom Layer "BOT-GND-MOUNT" (solid, remove dead copper, pour order 2): 0,0 509.01,509.01 ccw(c787.4,787.4) 787.4,393.7 7086.61,393.7 ccw(c7086.61,787.4) 7365,509.01 7874.02,0
GND on Bottom Layer "BOT-GND-MOUNT" (solid, remove dead copper, pour order 4): 7874.02,0 7365,509.01 ccw(c7086.61,787.4) 7480.31,787.4 7480.31,7086.61 ccw(c7086.61,7086.61) 7365,7365 7874.02,7874.02
GND on Bottom Layer "BOT-GND-MOUNT" (solid, remove dead copper, pour order 6): 7874.02,7874.02 7365,7365 ccw(c7086.61,7086.61) 7086.61,7480.31 787.4,7480.31 ccw(c787.4,7086.61) 509.01,7365 0,7874.02
GND on Bottom Layer "BOT-GND-MOUNT" (solid, remove dead copper, pour order 8): 0,7874.02 509.01,7365 ccw(c787.4,7086.61) 393.7,7086.61 393.7,787.4 ccw(c787.4,787.4) 509.01,509.01 0,0
no net on Internal Plane 1 (split plane): 7853.92,205.17 7668.84,20.1 20.1,20.1 20.1,7853.92 7853.92,7853.92
no net on Internal Plane 2 (split plane): 7853.92,205.17 7668.84,20.1 20.1,20.1 20.1,7853.92 7853.92,7853.92
no net on Internal Plane 3 (split plane): 7853.92,205.17 7668.84,20.1 20.1,20.1 20.1,7853.92 7853.92,7853.92
no net on Internal Plane 4 (split plane): 7853.92,205.17 7668.84,20.1 20.1,20.1 20.1,7853.92 7853.92,7853.92

## Keep-outs
Keep-Out Layer:
  the board outline again, w20

## Other copper
Signal Layer 2:
  rectangle net PP3V3: 3236.22,1748.03 4354.33,2814.96
  rectangle net PP3V3: 3350.39,948.82 4149.61,1685.04
  rectangle net PP5V: 2066.93,3720.47 2173.23,4039.37
Bottom Layer:
  rectangle net NetC339_2: 2460.63,3594.49 2622.05,3763.78
  rectangle net PP5V: 1925.2,3740.16 2271.65,3944.88
  rectangle net NetF1_2: 1129.92,3956.69 1460.63,4153.54
  rectangle net NetC329_1: 1314.96,3641.73 1688.98,3929.13
  rectangle net VIN48V: 933.07,3925.2 1019.68,4133.86
  rectangle net VIN48V: 523.62,4007.87 1015.75,4082.68

## Silkscreen, mask and mechanical layers (free items; w line width, h text height)
Top Overlay:
  lines w5.91: 742.13,3159.45 712.6,3129.92 ; 779.53,2944.88 748.03,2913.39 ; 787.4,2515.75 807.09,2496.06 787.4,2476.38 787.4,2559.06 807.09,2539.37 ; 960.63,2885.83 1066.93,2885.83 1114.17,2933.07 1114.17,3039.37 1137.8,3062.99 1177.17,3062.99 ; 1299.21,1043.31 1299.21,1062.99 1429.13,1062.99 ; 1303.15,2374.02 1322.83,2354.33 1303.15,2334.65 1303.15,2417.32 1322.83,2397.64 ; 1429.13,1437.01 1429.13,1062.99 ; 1456.69,763.78 1456.69,1062.99 1429.13,1062.99 ; 3267.72,1688.98 3267.72,1578.74 3322.83,1578.74 3338.58,1562.99 3338.58,1531.5 3389.76,1531.5 ; 3405.51,1496.06 3405.51,1385.83 3460.63,1385.83 3476.38,1370.08 3476.38,1338.58 3527.56,1338.58 ; 3590.55,1535.43 3590.55,1515.75 3917.32,1515.75 3917.32,1535.43 ; 3929.13,1527.56 3984.4,1538.61 ; 3996.06,1555.12 3996.06,1535.43 4322.83,1535.43 4322.83,1555.12 ; 5566.93,551.18 5566.93,472.44 5925.2,472.44 5925.2,413.39 6003.94,413.39 ; 5594.49,1366.14 5594.49,1287.4 5952.76,1287.4 5952.76,1228.35 6031.5,1228.35 ; 6318.9,413.39 6437.01,413.39 6437.01,472.44 6673.23,472.44 6673.23,590.55 6771.65,590.55 6771.65,629.92 ; 6346.46,1228.35 6464.57,1228.35 6464.57,1287.4 6700.79,1287.4 ; 6559.06,1271.65 6559.06,1389.76 6657.48,1389.76 6657.48,1429.13 ; 6913.39,2866.14 7039.37,2866.14 7090.55,2917.32 7090.55,3015.75 ; 7092.52,3177.17 7108.27,3192.91 ; 712.6,3129.92 712.6,3129.92 ; 748.03,2913.39 748.03,2913.39 ; 1417.32,1437.01 1594.49,1437.01 1594.49,1905.51 1417.32,1905.51 1417.32,1437.01
Top Solder:
  region: 0,0 7677.17,0 7775.59,98.43 7362.22,511.8 cw(c7086.61,787.4) 7086.61,397.64 787.4,397.64 cw(c787.4,787.4) 511.8,511.8
  region: 7874.02,7874.02 7874.02,196.85 7775.59,98.43 7362.22,511.8 ccw(c7086.61,787.4) 7476.38,787.4 7476.38,7086.61 ccw(c7086.61,7086.61) 7362.22,7362.22
  region: 7874.02,7874.02 7362.22,7362.22 ccw(c7086.61,7086.61) 7086.61,7476.38 787.4,7476.38 ccw(c787.4,7086.61) 511.8,7362.22 0,7874.02
  region: 0,7874.02 511.8,7362.22 ccw(c787.4,7086.61) 397.64,7086.61 397.64,787.4 ccw(c787.4,787.4) 511.8,511.8 0,0